# Allegro board MB1219_REVB_160112.brd (continued)
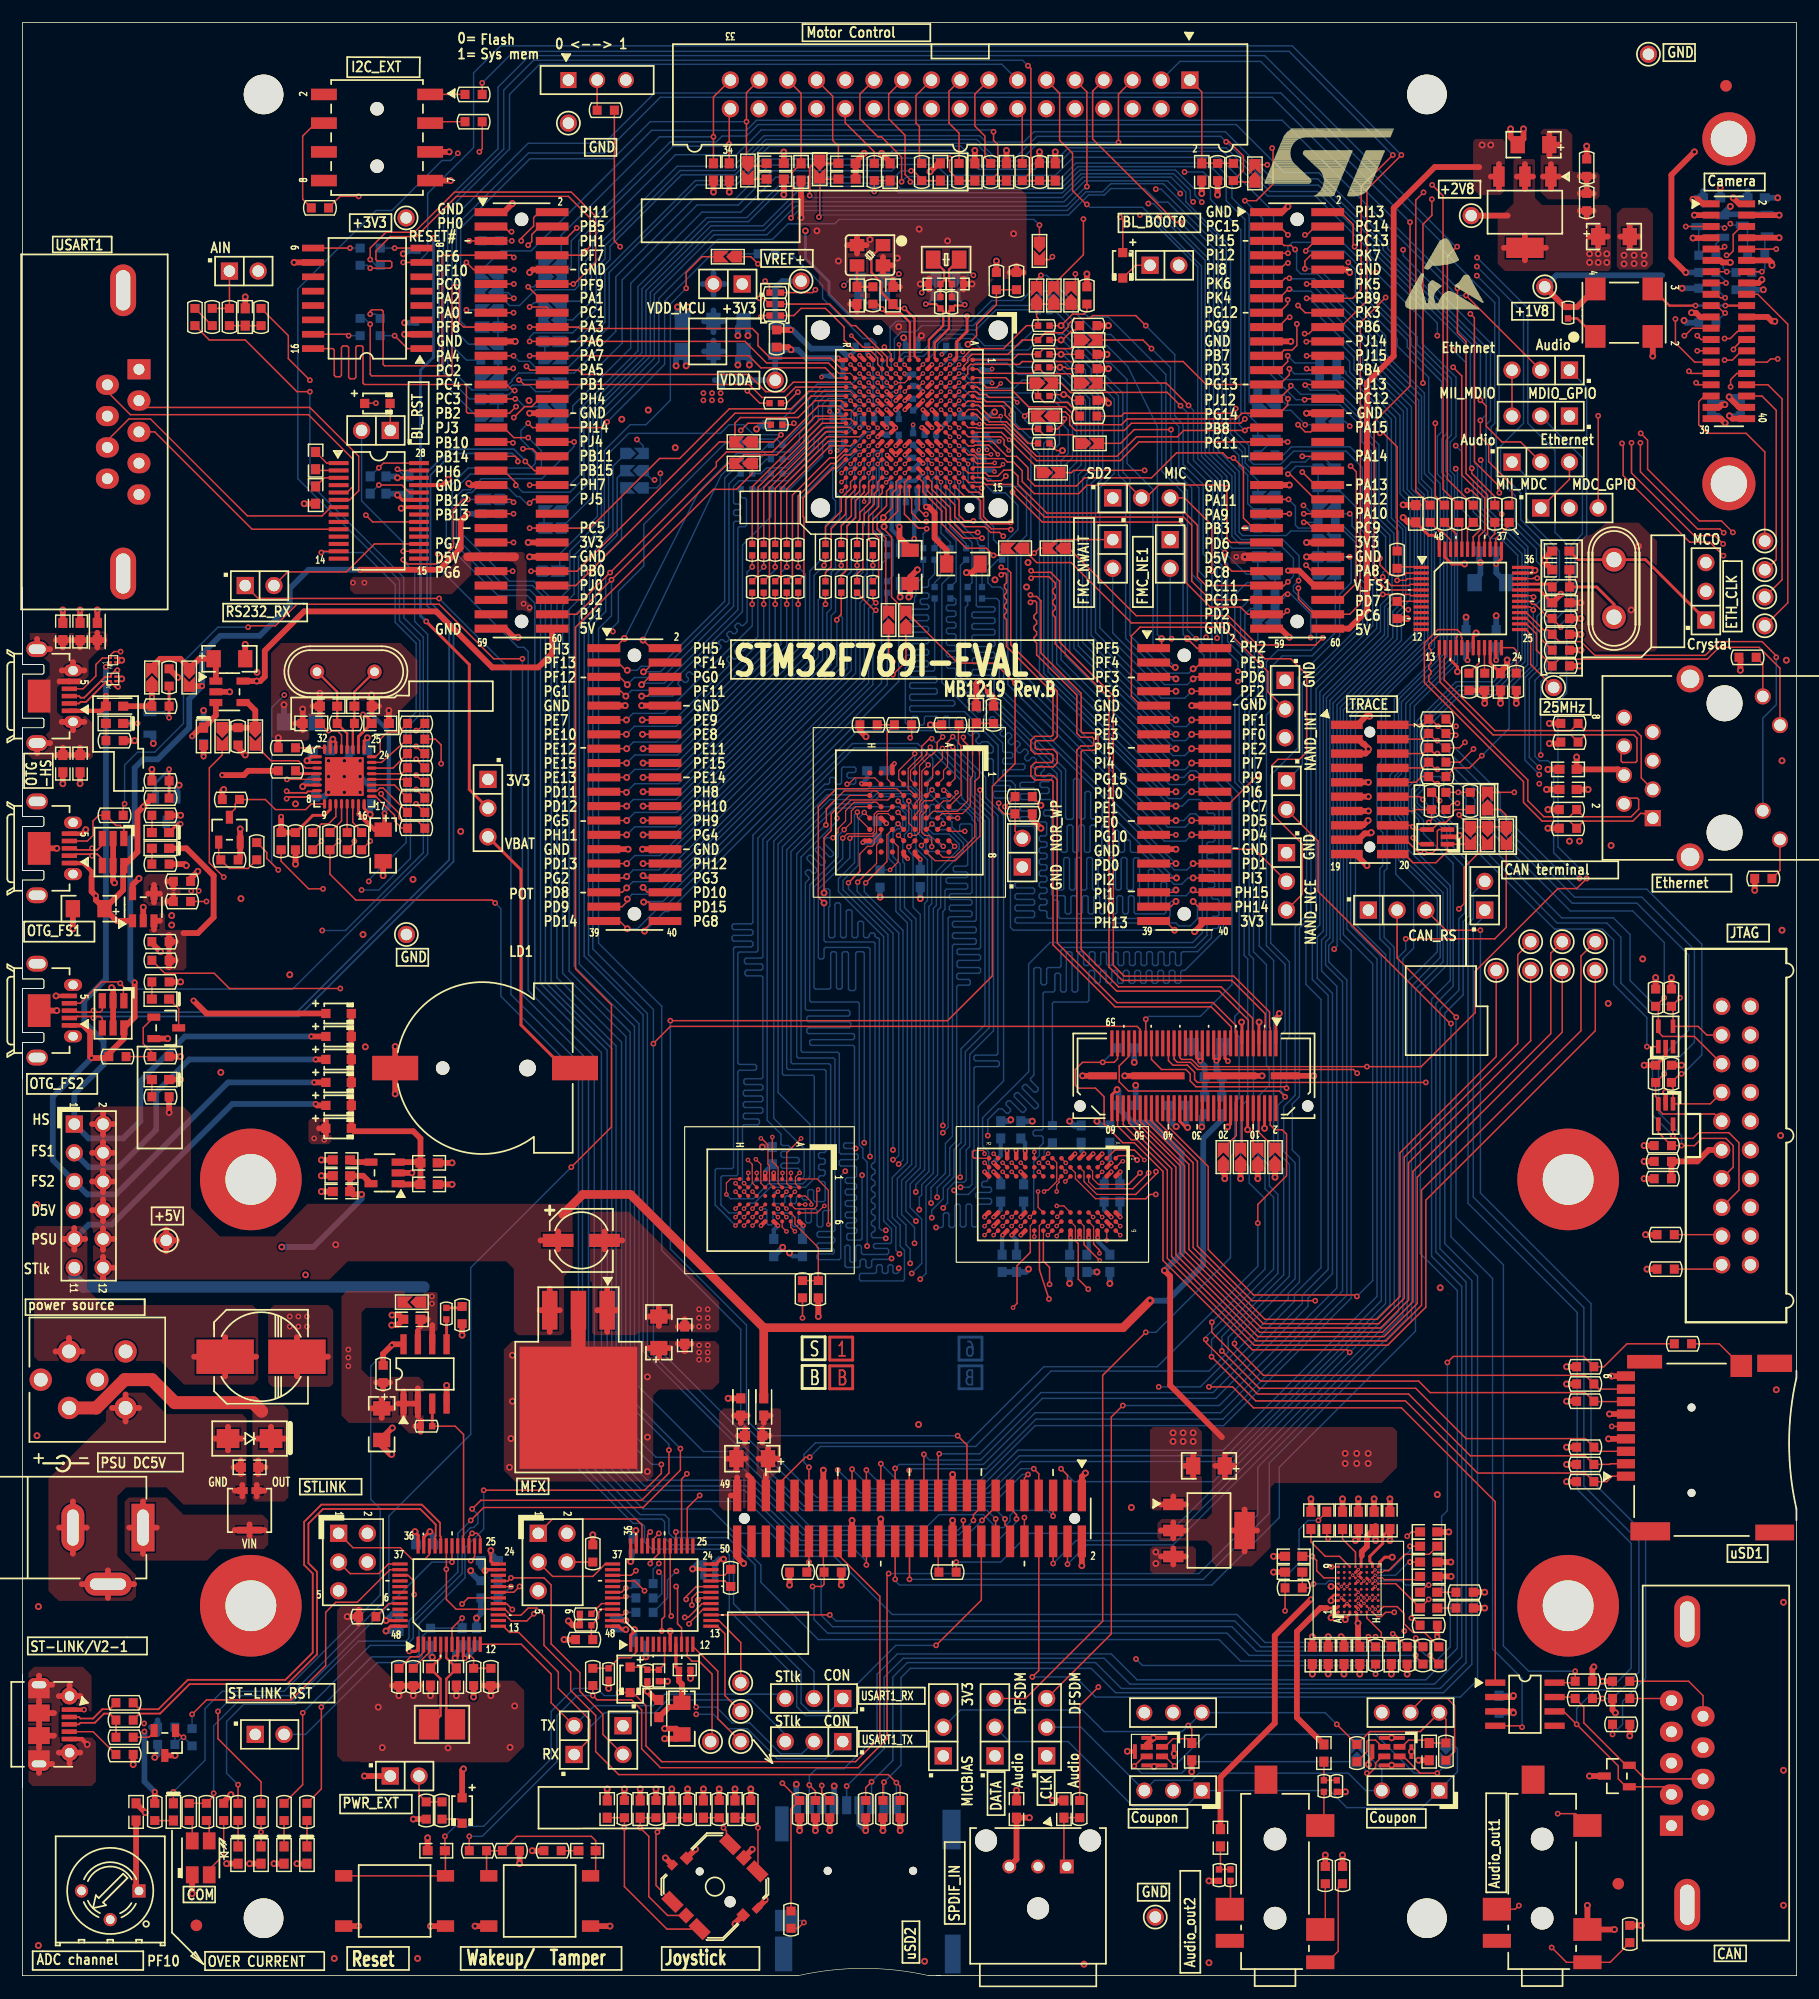
[diagram p0: board, top side]
## Routing (per net, layer and track width the routed paths; a pad name or vN(x,y) marks a point on that pad's centre or on a via; arc(x,y) is an arc through that point) (continued)
NETR259_1: length 11.9
  TOP w0.127: v3(74.81,139.29) U4.M6
  BOTTOM w0.127: R259.1 67.69,132.84 69.98,135.13 69.98,135.95 71.06,137.03 72.99,137.03 73.28,137.32 73.28,138.28 73.86,138.86 74.38,138.86 v3(74.81,139.29)
NETR260_1: length 13.5
  TOP w0.127: v3(73.21,139.29) U4.P6
  BOTTOM w0.102: 71.63,139.47 73.03,139.47 v3(73.21,139.29)
  BOTTOM w0.127: R260.1 65.28,132.84 65.79,133.35 67.56,133.35 69.47,135.25 69.47,136.02 70.74,137.29 70.74,138.96 71.25,139.47 71.63,139.47
NETR261_1: length 12.3
  TOP w0.127: v3(74.81,138.49) U4.M7
  BOTTOM w0.127: v3(74.81,138.49) 74.44,138.11 73.95,138.11 73.79,137.95 73.79,137.19 72.87,136.27 71.37,136.27 70.74,135.64 70.74,134.37 67.82,131.44 R261.1
NETR262_1: length 14
  TOP w0.127: v3(74.01,138.49) U4.N7
  BOTTOM w0.127: R262.1 65.28,131.44 66.04,132.21 67.69,132.21 70.36,134.87 70.36,135.79 71.22,136.65 72.93,136.65 73.53,137.25 73.53,138.05 73.97,138.49 v3(74.01,138.49)
NETR266_1: length 11.5
  TOP w0.127: U4.K13 76.41,133.69 v3(76.41,133.71)
  BOTTOM w0.127: v3(76.41,133.71) 76.41,133.8 75.98,134.23 75.98,134.64 75.76,134.86 75.46,134.86 75.24,134.64 75.24,133.53 75.49,133.29 75.49,130.79 75.56,130.71 75.56,129.76 75.18,129.38 75.18,127.89 R266.1
NETR267_1: length 8.1
  TOP w0.127: v3(74.81,133.69) U4.M12
  BOTTOM w0.127: v3(74.81,133.69) 74.81,133.41 75.18,133.03 75.18,130.73 75.19,130.72 75.19,130.72 75.18,130.71 75.18,129.92 74.8,129.54 74.8,127 R267.1
NETR268_1: length 8.9
  TOP w0.127: v3(74.81,134.49) U4.M11
  BOTTOM w0.127: v3(74.81,134.49) 74.42,134.1 74.42,132.72 74.02,132.31 74.02,128.75 73.79,128.52 R268.1
NETR269_1: length 9.2
  TOP w0.127: v3(74.01,134.49) U4.N11
  BOTTOM w0.127: v3(74.01,134.49) 73.64,134.12 73.64,133.6 73.36,133.32 73.12,133.32 72.84,133.04 72.84,128.85 72.39,128.4 R269.1
NETR270_2: length 10.8
  TOP w0.127: v3(74.01,135.29) U4.N10
  BOTTOM w0.127: v3(74.01,135.29) 73.82,135.29 71.63,133.1 71.63,130.68 71.88,130.43 71.88,129.16 70.99,128.27 R270.2
NETR271_1: length 14.1
  TOP w0.102: U4.M8 75.21,137.29 v3(75.61,136.89)
  BOTTOM w0.127: v3(75.61,136.89) 75.24,136.52 74.67,136.52 68.58,130.43 R271.1
NETR272_1: length 9.3
  TOP w0.127: v3(83.61,133.69) U4.B12
  BOTTOM w0.127: R272.1 85.85,127 85.85,128.14 84.98,129.02 84.98,130.67 83.61,132.04 v3(83.61,133.69)
NETR273_2: length 7.3
  TOP w0.127: v3(82.81,132.09) U4.C14
  BOTTOM w0.127: R273.2 84.45,126.62 84.45,126.87 82.81,128.52 v3(82.81,132.09)
NETR274_2: length 7
  TOP w0.127: v3(82.01,132.09) U4.D14
  BOTTOM w0.127: v3(82.01,132.09) 82.01,128.05 83.44,126.62 R274.2
NETR275_2: length 6.8
  TOP w0.127: v3(81.21,132.09) U4.E14
  BOTTOM w0.127: R275.2 82.04,126.75 81.21,127.58 v3(81.21,132.09)
NETR276_2: length 8.4
  TOP w0.127: v3(81.21,133.69) U4.E12
  BOTTOM w0.127: v3(81.21,133.69) 80.8,133.27 80.8,132.74 80.45,132.39 80.45,127.26 80.64,127.07 R276.2
NETR277_1: length 7.8
  TOP w0.127: v1(79.94,127.96) 79.88,128.02 79.24,128.02 79.24,128.02 79.2,128.02 78.74,128.48 77.98,129.24 77.98,132.06 U4.H14
  BOTTOM w0.127: v1(79.94,127.96) 79.93,127.96 79.93,127.81 79.63,127.51 R277.1
NETR278_1: length 12.2
  TOP w0.127: U4.L12 v3(75.61,133.69)
  BOTTOM w0.127: R278.1 76.96,123.83 76.96,127 76.58,127.38 76.23,127.38 75.56,128.05 75.56,129.16 75.95,129.54 75.95,130.71 75.74,130.92 75.74,133.43 75.61,133.56 v3(75.61,133.69)
NETR279_1: length 10.6
  TOP w0.127: v3(74.81,132.89) U4.M13
  BOTTOM w0.127: R279.1 73.79,123.61 74.3,124.11 74.3,128.14 74.42,128.27 74.42,129.79 74.8,130.18 74.8,130.56 74.82,130.57 74.82,132.88 v3(74.81,132.89)
NETR280_1: length 11.6
  TOP w0.127: v3(74.01,133.69) U4.N12
  BOTTOM w0.127: v3(74.01,133.69) 74.01,133.57 73.58,133.14 73.58,128.95 72.9,128.27 72.9,124.43 72.39,123.92 R280.1
NETR281_1: length 14.7
  TOP w0.127: v3(74.81,135.29) U4.M10
  BOTTOM w0.127: v3(74.81,135.29) 74.4,134.87 73.88,134.87 71.88,132.88 71.88,131.19 72.26,130.81 72.26,128.91 71.5,128.14 71.5,124.65 70.99,124.14 R281.1
NETR283_1: length 12.7
  TOP w0.127: v3(82.81,133.69) U4.C12
  BOTTOM w0.127: R283.1 84.84,124.33 85.39,124.89 85.39,128.06 84.6,128.86 84.6,130.42 83.19,131.83 83.19,133.31 v3(82.81,133.69)
NETR284_2: length 11.6
  TOP w0.127: v3(82.81,132.89) U4.C13
  BOTTOM w0.127: v3(82.81,132.89) 82.42,132.5 82.42,128.27 83.95,126.75 83.95,123.19 R284.2
NETR285_2: length 11.4
  TOP w0.127: v3(82.01,132.89) U4.D13
  BOTTOM w0.127: v3(82.01,132.89) 81.64,132.51 81.64,130.72 81.63,130.71 81.63,127.89 81.64,127.88 81.64,127.79 82.55,126.87 82.55,123.32 R285.2
NETR286_2: length 11.1
  TOP w0.127: v3(81.21,132.89) U4.E13
  BOTTOM w0.127: v3(81.21,132.89) 81.21,132.77 80.84,132.4 80.84,130.73 80.83,130.71 80.83,127.42 81.15,127.1 81.15,123.7 80.64,123.19 R286.2
NETR289_1: length 4
  TOP w0.102: U9.F7 77.42,99.86 77.42,98.5 v3(76.71,97.79)
  BOTTOM w0.102: R289.1 v3(76.71,97.79)
NETR291_1: length 2.8
  TOP w0.102: v3(89.86,71.88) U15.J2
  BOTTOM w0.102: v3(89.86,71.88) 90.32,72.34 90.32,72.92 90.53,73.13
  BOTTOM w0.127: 90.53,73.13 R291.1
NETR293_2: length 2.4
  TOP w0.127: U22.42 52.95,33.9 v1(53.34,34.29)
  BOTTOM w0.127: v1(53.34,34.29) 53.85,34.29 R293.2
NETR294_2: length 2.2
  TOP w0.127: U22.43 53.09,33.41 53.21,33.53 v1(53.34,33.53)
  BOTTOM w0.127: v1(53.34,33.53) 54.1,33.53 R294.2
NETR295_2: length 2.7
  TOP w0.127: U21.20 v1(43.18,34.41)
  BOTTOM w0.127: v1(43.18,34.41) 42.18,33.4 R295.2
NETR296_2: length 2.2
  TOP w0.127: U22.46 53.11,31.9 v1(53.34,32.13)
  BOTTOM w0.127: R296.2 v1(53.34,32.13)
NETR298_1: length 4.6
  TOP w0.127: T3.1 14.12,21.08 v1(14.22,21.08)
  BOTTOM w0.127: R298.1 R300.2 14.1,21.08 v1(14.22,21.08) R299.1
NETSB12_2: length 56
  TOP w0.127: v1(126.49,142.24) 127.25,141.48 127.25,132.72 129.29,130.68 129.29,127.81 128.77,127.29 U6.41 ; 91.57,138.3 92.2,138.3 92.58,137.92 92.58,137.16 93.09,136.65 97.41,136.65 98.04,137.29 107.7,137.29 v1(108.08,137.67)
  L4_SIG w0.102: v1(108.08,137.67) 110.49,140.08 112.27,140.08 112.52,139.83 116.51,139.83 118.92,142.24 v1(126.49,142.24)
NETSB23_1: length 120
  TOP w0.127: SB23.1 17.65,107.95 16.51,106.81 16.51,98.42 v1(17.78,97.16) ; U22.30 56.76,31.75 56.52,31.5 v1(56.52,30.48)
  L4_SIG w0.102: v1(56.52,30.48) 56.39,30.48 53.72,27.81 44.83,27.81 39.34,33.3 36.51,33.3 33.15,36.67 33.15,43.18 31.11,45.21 31.11,63.13 27.94,66.31 27.94,86.84 27.66,87.12 27.66,93.37 22.55,98.48 19.1,98.48 v1(17.78,97.16)
NETSB24_1: length 6.3
  TOP w0.127: SB24.1 21.97,107.44 24.38,107.44 25.03,106.8 U8.3
NETSB27_1: length 75.6
  TOP w0.089: U20.D3 117.86,33.16 118.11,33.41 v2(118.11,33.41)
  TOP w0.127: v1(127,94.34) 127.46,94.79 127.46,97.99 SB27.1
  L4_SIG w0.089: v2(118.11,33.41) 117.74,33.78 117.74,34.29 116.48,35.55 116.48,36.58
  L4_SIG w0.102: v1(127,94.34) 127,94.13 118.44,85.57 118.44,61.8 116,59.36 116,49.4 113.41,46.81 113.41,39.65 116.48,36.58
NETSB47_1: length 136.9
  TOP w0.127: U6.40 129.27,127.23 129.54,127.51 129.54,130.94 127.64,132.84 127.64,144.53 126.87,145.29 v1(126.87,149.22)
  BOTTOM w0.127: v1(126.87,149.22) 121.41,154.69 121.41,155.19 110.49,166.12 56.39,166.12 51.46,161.19 44.73,161.19 38.35,154.81 38.35,145.36 39.44,144.28 40.5,144.28 SB47.1
NETSB58_2: length 116
  TOP w0.127: U6.42 128.27,127.25 128.91,127.89 128.91,130.56 128.12,131.34 v1(127.74,131.34)
  L4_SIG w0.102: v1(52.2,118.87) 52.58,119.25 56.39,119.25 58.72,116.92 97.18,116.92 99.54,119.28 108.76,119.28 111.05,116.99 113.69,116.99 114.43,117.73 114.43,119.76 116.84,122.17 116.84,126.24 121.26,130.66 126.85,130.66 127.53,131.34 v1(127.74,131.34)
  BOTTOM w0.127: SB58.2 62.1,135.51 54.93,128.33 54.93,124.68 52.68,122.43 52.68,119.74 52.2,119.25 v1(52.2,118.87)
NETSB62_1: length 133.9
  TOP w0.127: U23.1 130.22,41.92 121.92,50.22 108.84,50.22 106.98,52.07 v1(104.9,52.07)
  BOTTOM w0.127: v1(104.9,52.07) 112.46,59.63 112.46,60.26 114.81,62.61 114.81,86.33 113.47,87.67 113.47,92.49 114.38,93.4 114.38,113.79 119.74,119.15 119.74,122.96 119,123.7 119,127.25 117.98,128.27 117.98,129.79 SB62.1
NETSB78_1: length 32.6
  TOP w0.127: v1(101.85,18.54) 101.01,19.39 U24.4 ; v1(125.09,17.91) 123.57,17.91 122.09,19.39 U25.4
  BOTTOM w0.127: v1(101.85,18.54) 104.65,21.34 119.63,21.34 123.06,17.91 v1(125.09,17.91) 125.86,18.67 SB78.1
NETSB79_2: length 25.6
  TOP w0.127: v1(98.3,18.54) 99.14,19.39 U24.3 ; U25.3 120.23,19.39 119.63,18.8 119.63,18.41 119.13,17.91 v1(118.87,17.91)
  BOTTOM w0.127: v1(118.87,17.91) 118.87,18.03 SB79.2 103.5,18.92 102.49,17.91 98.93,17.91 v1(98.3,18.54)
NETTP12_1: length 6.7
  TOP w0.127: TP12.1 133.35,115.95 133.35,118.62 132.93,119.04 U6.25
NETTP23_1: length 9
  TOP w0.127: U22.13 61.42,30.9 62.1,30.23 62.1,24.77 TP23.1
NETTP24_1: length 9.9
  TOP w0.127: TP24.1 60.96,20.83 60.96,26.67 59.82,27.81 59.18,27.81 58.76,28.23 U22.11
NETTP25_1: length 10.4
  TOP w0.127: U22.12 59.27,29.13 61.47,26.92 61.47,22.73 TP25.1
NETU20_G3: length 68.1
  TOP w0.089: U20.G3 v2(119.61,33.41)
  TOP w0.127: v1(71.37,31.9) U22.15
  L4_SIG w0.089: 120.22,31.75 120.22,32.81 v2(119.61,33.41)
  L4_SIG w0.102: v1(122.17,30.48) 121.54,31.11 120.68,31.11 120.22,31.58 120.22,31.75
  BOTTOM w0.127: v1(122.17,30.48) 122.17,30.1 121.16,29.08 109.47,29.08 107.19,31.37 71.91,31.37 v1(71.37,31.9)
OSC_IN: length 8.4
  TOP w0.203: X6.2 36.2,22.23 36.96,22.99 36.96,26.25 36.07,27.14 C84.1 36.07,27.22 36.97,28.12 U21.5
OSC_OUT: length 8.3
  TOP w0.203: X6.1 37.97,22.23 37.47,22.73 37.47,26.25 38.35,27.14 C85.1 38.35,27.22 37.47,28.1 U21.6
PA0: length 39.6
  TOP w0.127: CN5.15 v1(43.41,147.07) ; v3(74.01,141.69) U4.N3
  L4_SIG w0.102: v1(43.41,147.07) 46.99,147.07 48.01,146.05 50.04,146.05 52.07,144.02 61.85,144.02 62.48,143.38 65.79,143.38 66.67,142.49 67.82,142.49 68.45,141.86 71,141.86 71.17,141.69 v3(74.01,141.69)
  BOTTOM w0.127: SB47.2 SB45.2 SB43.2 ; 42.29,147.07 v1(43.41,147.07)
PA1: length 38.5
  TOP w0.127: CN5.14 45.72,148.34 v1(44.7,149.35) ; U4.N2 v3(74.01,142.49)
  L4_SIG w0.102: v3(74.01,142.49) 73.57,142.93 73.06,142.93 72.48,143.51 69.6,143.51 68.2,144.91 67.69,144.91 66.73,145.87 53.52,145.87 51.31,148.08 48.77,148.08 47.5,149.35 v1(44.7,149.35)
  BOTTOM w0.127: v1(44.7,149.35) 45.21,149.35 SB36.2 SB34.2
PA2: length 38
  TOP w0.127: U4.P2 v3(73.21,142.49) ; CN5.13 v1(43.43,148.34)
  L4_SIG w0.102: v3(73.21,142.49) 73,142.7 71.88,142.7 71.42,143.15 69.39,143.15 68.02,144.53 67.44,144.53 66.45,145.52 53.11,145.52 51.18,147.45 48.51,147.45 47.62,148.34 v1(43.43,148.34)
  BOTTOM w0.127: v1(43.43,148.34) 42.93,148.84 SB37.2 SB35.2
PA3: length 107.2
  TOP w0.127: v1(44.83,145.8) CN5.18 49.15,145.8 49.28,145.67 64.52,145.67 65.02,145.16 65.02,144.15 66.12,143.05 71.45,143.05 72.42,142.09 U4.R2 ; v1(34.8,110.11) 34.92,110.11 R86.2
  L4_SIG w0.102: v1(44.83,145.8) 44.2,145.8 43.69,146.3 40.51,146.3 40.39,146.18 40.39,145.97 40.51,145.85 42.81,145.85 42.93,145.73 42.93,145.56 42.81,145.44 40.51,145.44 40.39,145.32 40.39,145.15 40.51,145.03 42.93,145.03 43.05,144.91 43.05,144.75 42.93,144.63 39.87,144.63 39.75,144.51 39.75,144.34 39.87,144.22 43.06,144.22 43.18,144.1 43.18,143.93 43.06,143.81 39.12,143.81 38.99,143.69 38.99,143.48 39.12,143.36 42.81,143.36 42.93,143.24 42.93,143.07 42.81,142.95 38.1,142.95 37.08,141.94 37.08,128.8 37.8,128.09 37.8,112.8 37.51,112.52 37.37,112.52 36.83,113.06 36.68,113.06 36.54,112.92 36.54,112.77 37.08,112.23 37.08,112.09 36.94,111.94 36.79,111.94 36.25,112.48 36.11,112.48 35.96,112.34 35.96,112.2 36.5,111.65 36.5,111.51 36.36,111.37 36.22,111.37 35.68,111.91 35.53,111.91 35.39,111.77 35.39,111.62 35.93,111.08 35.93,110.94 35.79,110.79 35.64,110.79 35.1,111.33 34.96,111.33 34.81,111.19 34.81,111.05 35.35,110.5 35.35,110.36 35.1,110.11 v1(34.8,110.11)
PA4: length 163.3
  TOP w0.127: v1(147.35,141.88) 147.54,141.69 CN4.31 ; U4.N4 v3(74.01,140.89) ; CN5.21 v1(43.41,143.26)
  L4_SIG w0.102: v1(147.35,141.88) 145.41,143.81 128.42,143.81 127.2,145.03 v1(125.09,145.03) ; v1(43.41,143.26) 44.04,143.89 50.22,143.89 51.1,143 60.58,143 64.01,139.57 69.98,139.57 71.29,140.89 v3(74.01,140.89)
  BOTTOM w0.127: v1(125.09,145.03) 125.09,146.15 119.18,152.07 119.18,152.53 114.33,157.38 110.08,157.38 106.13,161.33 92.68,161.33 91.74,160.4 90.17,160.4 89.51,159.74 84.53,159.74 82.85,161.42 76.96,161.42 76.2,160.66 65.41,160.66 63.12,158.37 59.61,158.37 51.87,150.62 51.87,145.85 48.18,142.16 45.42,142.16 44.81,142.77 43.89,142.77 v1(43.41,143.26)
PA5: length 110.4
  TOP w0.127: U4.P4 73.61,140.49 73.18,140.92 68.15,140.92 67.31,140.08 65.71,140.08 64.19,141.6 49.53,141.6 49.15,141.99 CN5.24 44.88,141.99 v1(44.55,142.32) ; R124.2 v1(30.73,100.33)
  L4_SIG w0.102: v1(30.73,100.33) 32.46,100.33 32.59,100.46 32.59,108.97 32.72,109.09 34.54,109.09 38.18,112.73 38.18,128.73 38.07,128.83 37.59,128.83 37.49,128.93 37.49,129.13 37.59,129.23 38.07,129.23 38.18,129.34 38.18,129.54 38.07,129.64 37.59,129.64 37.49,129.74 37.49,129.95 37.59,130.05 38.07,130.05 38.18,130.15 38.18,130.35 38.07,130.45 37.59,130.45 37.49,130.56 37.49,130.76 37.59,130.86 38.07,130.86 38.18,130.96 38.18,131.17 38.07,131.27 37.59,131.27 37.49,131.37 37.49,131.57 37.59,131.67 38.07,131.67 38.18,131.77 38.18,133.46 38.07,133.56 37.54,133.56 37.44,133.66 37.44,133.86 37.54,133.96 38.07,133.96 38.18,134.07 38.18,134.27 38.07,134.37 37.54,134.37 37.44,134.47 37.44,134.68 37.54,134.78 38.07,134.78 38.18,134.88 38.18,135.11 38.07,135.21 37.52,135.21 37.41,135.31 37.41,135.51 37.52,135.62 38.07,135.62 38.18,135.72 38.18,135.92 38.07,136.02 37.52,136.02 37.41,136.12 37.41,136.33 37.52,136.43 38.07,136.43 38.18,136.53 38.18,136.73 38.07,136.83 37.52,136.83 37.41,136.94 37.41,137.14 37.52,137.24 38.07,137.24 38.18,137.34 38.18,137.55 38.07,137.65 37.54,137.65 37.41,137.77 37.41,138.07 37.52,138.17 38.07,138.17 38.18,138.27 38.18,138.47 38.07,138.58 37.52,138.58 37.41,138.68 37.41,141.53 37.52,141.63 39.09,141.63 39.22,141.76 39.22,141.99 39.09,142.11 38.25,142.11 38.13,142.24 38.13,142.49 38.25,142.62 42.93,142.62 43.1,142.8 49,142.8 49.12,142.67 49.12,142.39 49,142.27 44.6,142.27 v1(44.55,142.32)
PA7: length 31.4
  TOP w0.127: U4.R3 71.88,141.29 70.98,142.19 65.28,142.19 64.21,143.26 CN5.22 v1(44.83,143.26)
  BOTTOM w0.127: v1(44.83,143.26) 44.91,143.18 46.18,143.18 46.18,144.45
PA8: length 47.4
  TOP w0.127: v1(113.49,124.74) 114.02,124.21 CN6.52 ; v1(84.84,127.13) 83.19,127.13 81.66,128.65 81.66,129.67 80.01,131.32 U4.F15
  L4_SIG w0.102: v1(113.49,124.74) 113.03,125.2 113.03,127.13 110.49,129.67 107.7,129.67 106.3,128.27 94.49,128.27 92.81,126.59 86.39,126.59 85.85,127.13 v1(84.84,127.13)
  BOTTOM w0.127: v1(113.49,124.74) 114.27,123.95 SB74.2 SB71.2 SB70.2
PA9: length 40
  TOP w0.127: U4.E15 82.42,130.07 82.42,129.03 83.31,128.14 85.09,128.14 85.6,127.64 86.38,127.64 v1(86.72,127.3) ; CN6.43 v1(112.01,129.29)
  L4_SIG w0.102: v1(86.72,127.3) 86.82,127.3 86.97,127.15 92.35,127.15 94.11,128.91 106.17,128.91 107.57,130.3 110.74,130.3 111.76,129.29 v1(112.01,129.29)
  BOTTOM w0.127: v1(112.01,129.29) SB68.2 R265.1
PA10: length 277.1
  TOP w0.127: U4.D15 82.8,130.49 82.8,129.16 83.31,128.65 v1(84.07,128.65) ; v1(44.2,116.46) 41.66,116.46 36.83,121.28 24.26,121.28 22.35,119.38 20.07,119.38 v1(19.94,119.25) ; R115.2 8.89,103.5 v1(9.02,103.63) ; v1(113.28,129.29) CN6.44
  L4_SIG w0.102: v1(84.07,128.65) 85.34,128.65 85.85,128.14 86.49,128.14 87.2,127.43 92.13,127.43 93.95,129.26 106.15,129.26 107.54,130.66 110.87,130.66 111.73,129.79 112.17,129.79 112.67,129.29 v1(113.28,129.29) 113.39,129.29 114.07,128.6 114.07,123.32 112.98,122.22 112.6,122.22 112.12,122.71 110.46,122.71 108.66,120.9 98.3,120.9 96.14,118.75 59.82,118.75 57.53,121.03 50.11,121.03 45.54,116.46 v1(44.2,116.46)
  BOTTOM w0.127: v1(9.02,103.63) 9.02,107.06 10.16,108.2 11.68,108.2 14.22,110.74 14.22,116.2 17.27,119.25 v1(19.94,119.25) ; v1(44.2,116.46) 44.2,86.74 50.04,80.9 50.04,45.34 54.61,40.77 56.77,40.77 57.15,40.39 57.15,39.12 57.53,38.73 62.36,38.73 64.77,36.32 64.77,32.13 69.98,26.92 JP21.2
PA11: length 208.5
  TOP w0.127: v1(87.38,127.89) 87.31,127.95 85.66,127.95 84.71,128.91 84.71,130.43 84.33,130.81 83.31,130.81 82.43,131.69 U4.C15 ; v1(111.94,130.56) CN6.41
  TOP w0.155: D5.4 7.05,98.73 6.6,99.18 6.28,99.18 v1(6.14,99.04) 6,99.18 4.7,99.18 4.56,99.05 CN13.2
  L4_SIG w0.102: v1(87.38,127.89) 92.08,127.89 93.73,129.54 105.92,129.54 107.42,131.04 111.02,131.04 111.51,130.56 v1(111.94,130.56)
  L4_SIG w0.13: v1(111.94,130.56) 111.99,130.51 112.5,130.51 112.98,130.99 114.38,130.99 115.19,130.18 115.19,123.09 113.44,121.34 110.47,121.34 109.23,120.09 99.4,120.09 97.06,117.75 59.05,117.75 56.97,119.84 51.01,119.84 48.26,117.09 48.26,114.98 38.43,105.15 38.43,103.02 33.43,98.02 25.62,98.02 24.02,99.62 10.41,99.62 9.97,99.18 6.28,99.18 v1(6.14,99.04)
  BOTTOM w0.127: JP14.1 113.16,107.06 113.16,114.3 118.49,119.63 118.49,122.68 117.86,123.32 117.86,126.75 116.59,128.02 112.8,128.02 112.55,128.27 112.55,129.95 v1(111.94,130.56)
  BOTTOM w0.155: 110.74,130.56 v1(111.94,130.56)
PA12: length 44.2
  TOP w0.127: v1(87.38,128.52) 87.25,128.4 85.6,128.4 84.96,129.03 84.96,130.81 84.58,131.19 83.71,131.19 U4.B15 ; v1(111.89,132.79) 112.06,132.79 114.3,130.56 CN6.42
  L4_SIG w0.102: v1(87.38,128.52) 91.47,128.52 96.62,133.68 106.55,133.68 107.44,132.79 v1(111.89,132.79)
  BOTTOM w0.127: v1(111.89,132.79) 112.57,133.48 114.3,133.48 SB60.2 SB62.2 SB66.2
PA13: length 264.5
  TOP w0.127: CN6.40 114.3,131.83 v1(113.16,132.97) ; U21.25 40.47,38.82 40.17,39.12 v1(39.75,39.12) 39.47,38.83 U21.27 ; v1(84.81,131.55) 84.67,131.69 U4.A15 ; v1(150.39,125.58) 149.2,126.77 147.42,126.77 141.53,132.66 141.53,135.41 v1(141.43,135.51) ; v1(126.75,110.49) 126.49,110.49 R84.2
  L4_SIG w0.102: v1(84.81,131.55) 85.17,131.19 86.87,131.19 87.63,130.43 92.63,130.43 96.38,134.18 105.37,134.18 105.89,134.7 107.26,134.7 108.03,133.93 112.06,133.93 113.03,132.97 v1(113.16,132.97) 119.41,132.97 121.23,134.8 128.24,134.8 128.96,135.51 v1(141.43,135.51) ; v1(39.75,39.12) 39.75,38.48 42.29,35.94 42.29,34.67 43.05,33.91 44.2,33.91 45.34,32.77 46.86,32.77 51.56,37.47 51.56,39.75 53.59,41.78 60.27,41.78 61.85,43.36 80.72,43.36 81.15,43.79 85.17,43.79 97.69,56.31 101.85,56.31 102.62,57.07 105.54,57.07 111.38,62.92 111.38,74.55 111.12,74.8 111.12,82.37 112.24,83.49 112.24,86.11 116.51,90.37 116.51,96.19 117.96,97.64 119.46,97.64 120.19,98.37 124.33,98.37 125.17,99.21 125.17,100.48 126.82,102.13 127.56,102.13 127.91,102.49 127.91,104.9 126.19,106.63 126.19,109.93 v1(126.75,110.49) 127.38,111.12 131.42,111.12 133.35,113.06 133.35,115.14 134.95,116.74 141.63,116.74 146.25,121.36 149.56,121.36 150.39,122.2 v1(150.39,125.58)
PA14: length 265.4
  TOP w0.127: v1(142.27,135.56) 142.27,132.89 147.8,127.36 149.63,127.36 v1(150.37,126.62) ; U21.15 42.67,31.9 43.21,31.37 44.58,31.37 v1(45.21,32) ; CN6.36 v1(113.16,134.37) ; v1(86.94,132.61) 86.54,132.21 85.32,132.21 85.04,132.49 U4.A14 ; R91.2 126.57,109.86 v1(126.72,109.7) ; v1(39.62,36.7) 39.97,37.05 U21.26
  L4_SIG w0.102: v1(142.27,135.56) 141.83,135.99 121.03,135.99 119.41,134.37 v1(113.16,134.37) 112.6,134.92 108.51,134.92 107.7,135.74 95.76,135.74 92.63,132.61 v1(86.94,132.61) ; v1(39.62,36.7) 40.77,36.7 41.66,35.81 41.66,34.54 42.8,33.4 43.81,33.4 v1(45.21,32) 47.24,32 52.07,36.83 52.07,39.55 53.8,41.27 60.93,41.27 62.46,42.8 81,42.8 81.51,43.31 85.39,43.31 97.84,55.75 105.11,55.75 111.99,62.64 111.99,77.47 112.19,77.67 112.19,81.89 112.73,82.42 112.73,85.9 116.99,90.17 116.99,95.94 118.21,97.16 119.66,97.16 120.4,97.89 124.54,97.89 125.7,99.06 125.7,100.33 126.95,101.57 127.69,101.57 128.42,102.31 128.42,105.08 126.72,106.78 v1(126.72,109.7) 127.1,109.7 128.04,110.64 131.62,110.64 133.99,113 133.99,114.38 134.85,115.24 137.82,115.24 138.81,116.23 141.96,116.23 146.58,120.85 149.73,120.85 150.9,122.02 150.9,126.09 v1(150.37,126.62)
PA15: length 262.5
  TOP w0.127: v1(151.23,127.64) 150.22,128.65 148.26,128.65 143.69,133.22 143.69,135.79 v1(143.08,136.4) ; v1(43.31,32.38) 42.79,32.9 U21.17 ; R99.2 127.13,107.31 v1(128.3,108.48) ; CN6.32 114.27,136.91 113.89,136.53 113.41,136.53 v1(112.78,137.16) ; U4.A13 84.12,133.4 86.44,133.4 v3(86.69,133.65)
  L4_SIG w0.102: v1(43.31,32.38) 44.96,30.73 48.9,30.73 50.29,32.13 50.29,33.15 53.09,35.94 53.09,39.12 54.28,40.31 61.75,40.31 63.09,41.66 81.51,41.66 81.99,42.14 85.72,42.14 97.84,54.25 106.27,54.25 114.83,62.81 114.83,86.56 117.96,89.69 117.96,95.25 118.67,95.96 120.14,95.96 121.08,96.9 124.92,96.9 129.41,101.4 129.41,105.99 128.3,107.11 v1(128.3,108.48) 129.35,109.54 132.02,109.54 133.73,111.25 135.69,111.25 139.67,115.24 142.42,115.24 145.52,118.34 150.14,118.34 152.15,120.35 152.15,126.72 v1(151.23,127.64) ; v1(143.08,136.4) 143,136.47 120.78,136.47 119.81,135.51 114.43,135.51 v1(112.78,137.16) 112.65,137.29 109.6,137.29 108.53,136.22 95.55,136.22 92.71,133.38 86.97,133.38 v3(86.69,133.65)
PAR_D0: length 110.8
  TOP w0.127: CN4.23 147.65,145.69 146.99,145.03 v1(146.94,145.03) ; v1(79.91,128.6) 79.85,128.6 79.78,128.52 79.45,128.52 78.61,129.36 78.61,130.61 78.41,130.81 U4.H15 ; JP9.1 91.44,127 SB18.1 89.89,126.24 v1(89.46,125.81) ; v1(120.52,148.41) 118.29,146.18 118.29,121.34 117.35,120.4 CN6.58 114.17,120.4 112.81,121.75 v1(112.81,122.71)
  L4_SIG w0.102: v1(146.94,145.03) 146.71,145.26 144.17,145.26 141.99,147.45 121.49,147.45 v1(120.52,148.41) ; v1(112.81,122.71) 112.81,122.72 112.39,123.14 112.39,126.87 110.41,128.85 108.03,128.85 105.16,125.98 97.41,125.98 JP9.1 ; v1(79.91,128.6) 80.44,128.6 82.93,126.11 85.98,126.11 86.13,125.96 89.31,125.96 v1(89.46,125.81)
PAR_D1: length 184
  TOP w0.127: v1(102.36,155.07) 101.98,155.07 94.61,162.43 94.61,166.65 CN1.7 ; v1(109.22,106.17) 106.48,103.43 CN11.24 ; v1(79.88,129.23) 79.85,129.26 79.65,129.26 79.27,129.64 79.27,131.62 U4.G15 ; CN4.24 152.17,145.41 151.64,145.41 151,144.78 v1(150.5,144.78)
  L4_SIG w0.102: v1(150.5,144.78) 150.26,144.55 147.8,144.55 147.45,144.91 147.45,145.36 146.93,145.87 144.2,145.87 142.04,148.03 130.35,148.03 129.29,149.1 129.29,152.02 127.76,153.54 122.3,153.54 118.87,156.97 110.62,156.97 108.71,155.07 v1(102.36,155.07) ; v1(79.88,129.23) 79.91,129.2 80.34,129.2 82.92,126.62 85.98,126.62 86.31,126.29 93.52,126.29 95.25,128.02 98.3,128.02 99.31,127 JP10.1 105.54,127 107.87,129.34 110.44,129.34 112.65,127.13 112.65,123.55 v1(112.83,123.37)
  BOTTOM w0.127: v1(102.36,155.07) 105.31,152.12 105.31,134.77 107.21,132.87 107.21,127.53 107.75,127 111.43,127 112.88,125.55 112.88,123.47 112.83,123.42 v1(112.83,123.37) 112.37,122.91 112.37,122.45 114.4,120.42 114.4,117.7 113.92,117.22 111,117.22 109.98,116.2 109.98,112.5 108.97,111.49 108.97,106.43 v1(109.22,106.17)
PAR_D2: length 141.1
  TOP w0.127: v1(106.3,125.86) 106.3,124.84 106.93,124.21 CN6.51 ; v1(148.08,145.03) 148.42,144.69 CN4.25 ; SB17.1 86.36,125.6 v1(85.85,125.6) 85.22,126.24 83.44,126.24 81.28,128.4 81.28,129.54 79.61,131.21 79.61,132.09 U4.G14
  L4_SIG w0.102: v1(148.08,145.03) 148.59,145.54 148.59,156.08 148.08,156.59 147.45,156.59 146.1,157.94 124.33,157.94 123.65,158.62 104.39,158.62 102.23,156.46 100.33,156.46 99.57,155.7 v1(98.81,155.7) ; v1(106.3,125.86) 106.05,125.6 94.49,125.6 94.11,125.22 89.41,125.22 89.03,125.6 v1(85.85,125.6)
  BOTTOM w0.127: SB72.1 SB75.1 108.2,123.95 v1(106.3,125.86) 105.69,126.47 105.69,132.38 103.91,134.16 103.91,151.13 99.34,155.7 v1(98.81,155.7)
PAR_D4: length 148.9
  TOP w0.127: U4.B13 83.61,132.89 85.15,132.89 85.42,132.61 86.23,132.61 86.77,133.15 87.48,133.15 88.01,132.61 88.01,131.9 90.56,129.35 102.81,129.35 103.89,128.27 103.89,123.7 104.65,122.94 CN6.53 111.56,122.94 v1(111.89,123.27) ; CN4.27 v1(148.08,143.69)
  L4_SIG w0.102: v1(148.08,143.69) 148.15,143.76 150.11,143.76 151,144.65 151,144.91 150.62,145.29 149.93,145.29 148.99,146.23 148.99,156.57 147.24,158.32 125.53,158.32 124.33,159.51 104.14,159.51 102.88,158.25 102.35,158.25 100.99,156.9 99.72,156.9 v1(99.54,156.72)
  BOTTOM w0.127: R282.2 111.12,122.81 111.43,122.81 v1(111.89,123.27) 112.37,123.75 112.37,125.35 111.1,126.62 107.62,126.62 106.93,127.3 106.93,132.61 104.93,134.62 104.93,151.79 100,156.72 v1(99.54,156.72)
PAR_D5: length 83.2
  TOP w0.127: v1(150.5,142.88) 151.18,142.88 152,143.69 CN4.28 ; CN6.23 111.1,141.99 111.86,142.75 v1(111.86,143.26) ; v3(82.81,134.49) U4.C11
  L4_SIG w0.102: v1(150.5,142.88) 147.07,142.88 145.72,144.22 144.07,144.22 141.81,146.48 119.29,146.48 115.57,142.77 113.27,142.77 112.78,143.26 v1(111.86,143.26) 109.86,143.26 107.44,140.84 97.49,140.84 96.42,139.78 95.81,139.78 92.43,136.4 86.44,136.4 85.37,135.33 83.65,135.33 v3(82.81,134.49)
  BOTTOM w0.127: R246.2 112.5,142.62 v1(111.86,143.26)
PAR_D6: length 72.7
  TOP w0.127: CN4.29 147.86,142.69 146.15,144.4 v1(146.15,146.51) ; v1(93.8,155.35) 93.8,152.2 91.19,149.58 SB7.1
  L4_SIG w0.102: v1(146.15,146.51) 144.45,146.51 142.54,148.41 131.06,148.41 129.9,149.58 129.9,152.17 127.63,154.43 124.33,154.43 121.34,157.43 110.06,157.43 108.2,155.57 101.22,155.57 100.53,154.89 94.26,154.89 v1(93.8,155.35)
PAR_D7: length 60.8
  TOP w0.127: SB25.1 v1(131.9,104.65) ; CN4.30 154.28,142.69 154.56,142.98 v1(155.19,142.98)
  L4_SIG w0.102: v1(155.19,142.98) 155.63,142.98 155.93,142.67 155.93,118.72 153.7,116.48 146.3,116.48 143.13,113.31 141.33,113.31 136.47,108.46 134.11,108.46 131.9,106.25 v1(131.9,104.65)